# Altium PCB FOC_V1.1.PcbDoc (part 2 of 2)
Units mil, origin at the board's own origin, x right, y up, seen from the top; angles counter-clockwise.
Board outline 1873.97 x 3351.97 mil, 4 copper layers (Top Layer, Signal Layer 1, Internal Plane 1, Bottom Layer), stack 30.634 mil thick; 230 components, 135 nets, 782 pads, 565 vias.
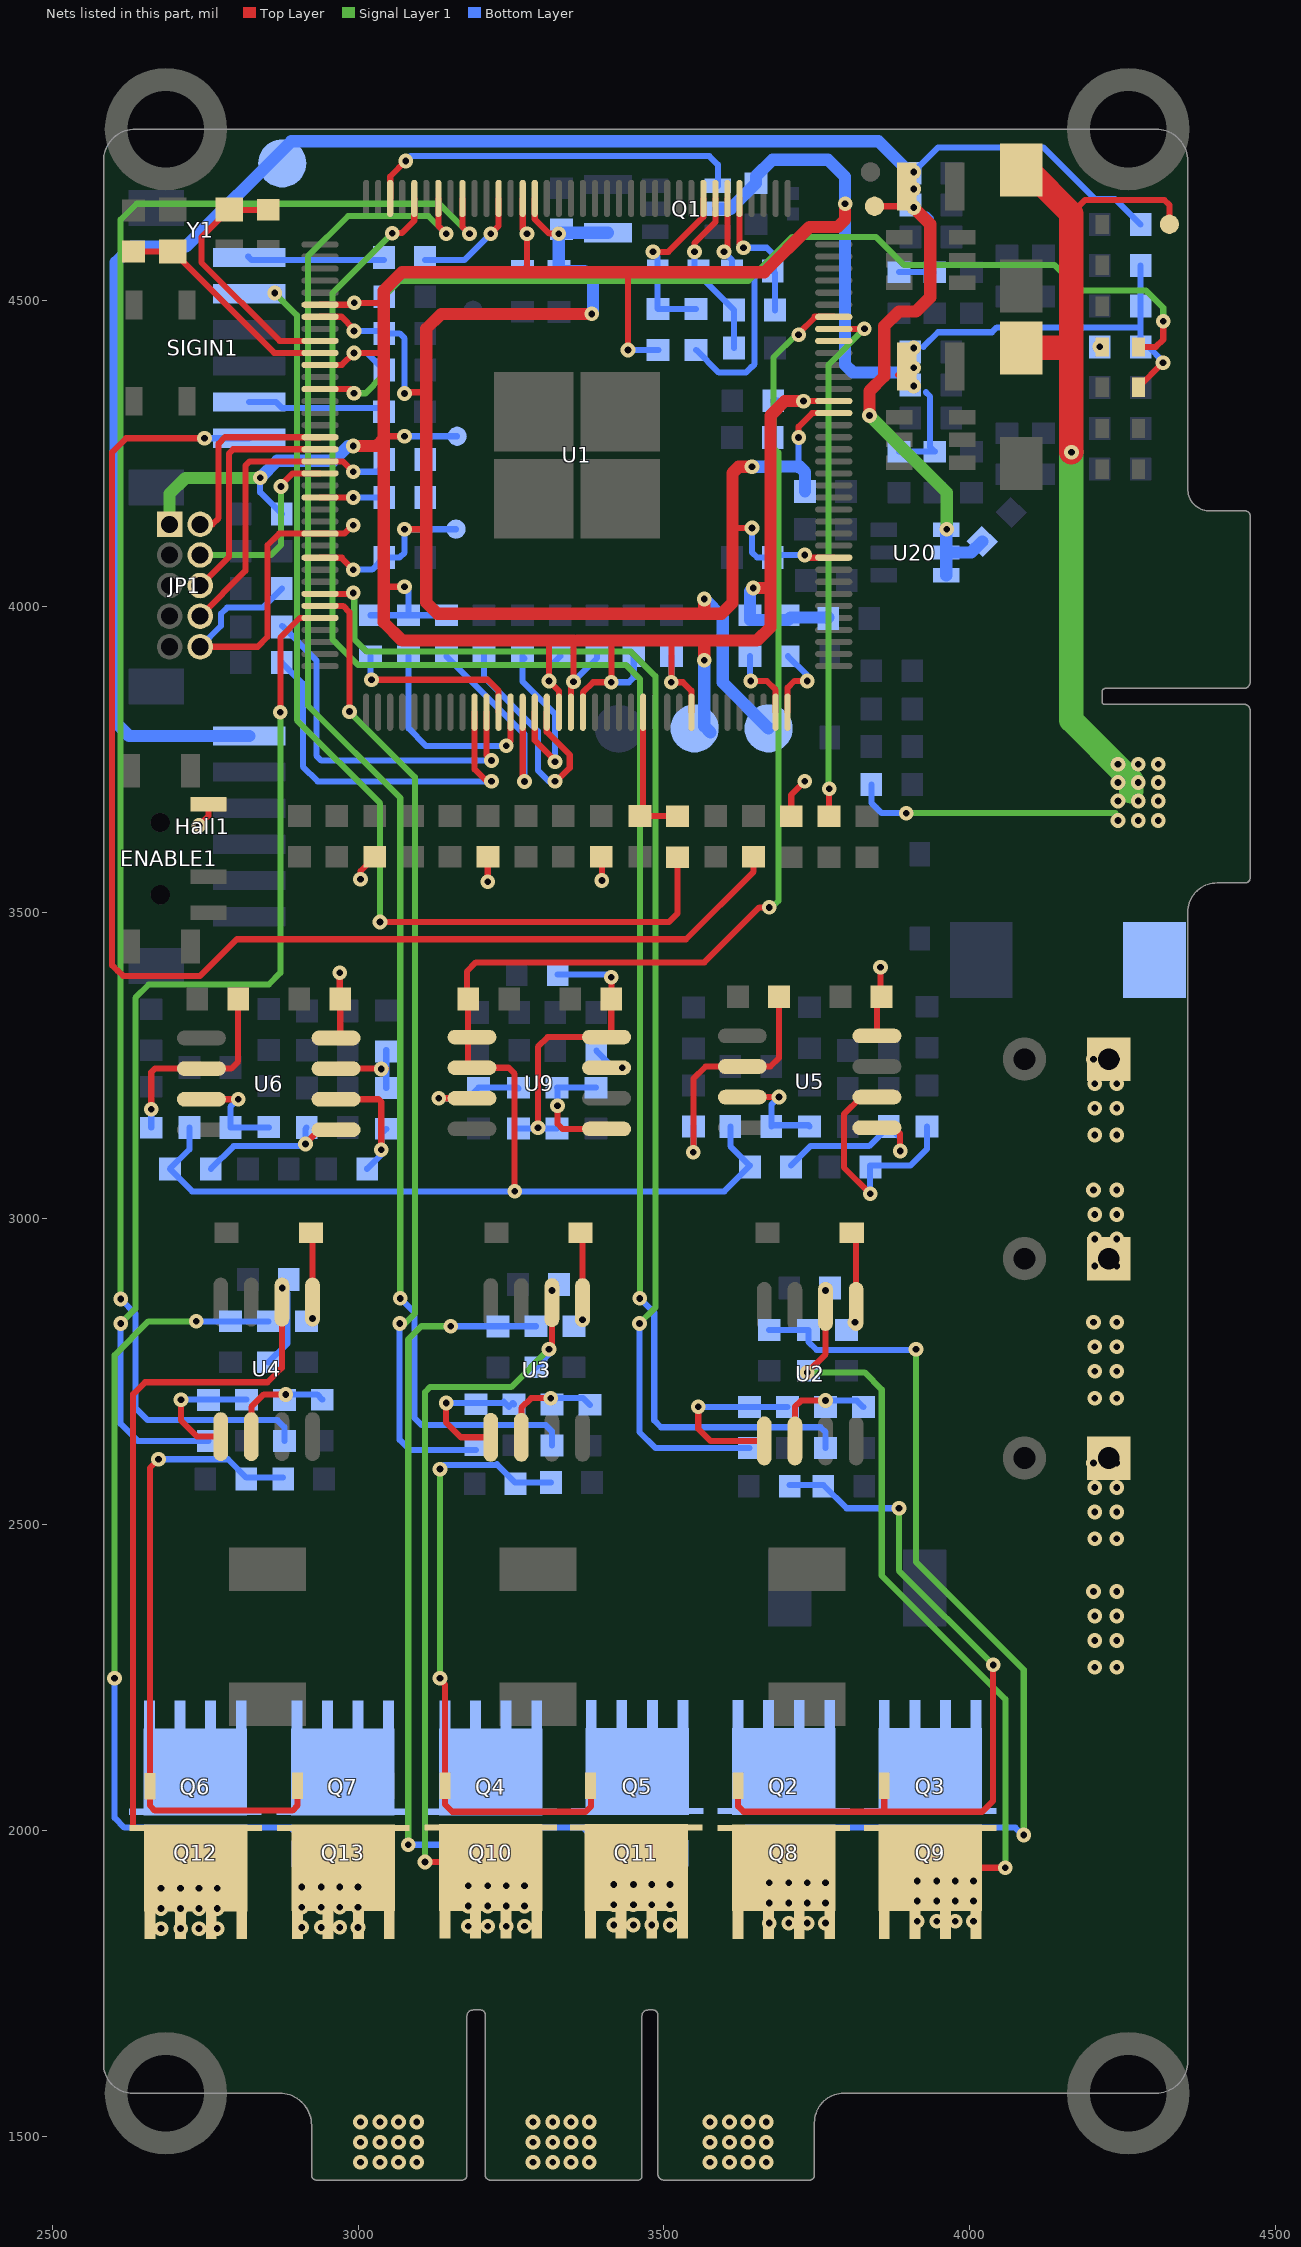
[diagram p4: the nets of this part, all layers, seen from the top]

## Via types
v1: diameter 24, hole 11, Top Layer to Bottom Layer, 475 vias
v2: diameter 23, hole 11, Top Layer to Bottom Layer, 85 vias
v3: diameter 24/24/24 (per signal layer), hole 11, Top Layer to Bottom Layer, 4 vias
v4: diameter 80, hole 70, Top Layer to Bottom Layer, 1 vias

## Nets (pads, with @x,y where several pads share a name; then routed paths per layer and width w, separated by ;. In a path a pad name is that pad's centre, name@x,y a point inside that pad or via, vN(x,y) a via of type N, cw(c..) or ccw(c..) an arc to the next point about the centre after c; other vN are vias at no path point) (continued)
NetQ2_2: Q2.2 Q3.2 R25.2 R28.2 | length 1680.3
  Signal Layer 1 w10: v1(3912,2786) 3912,2438 4088,2262 v1(4088,1992)
  Bottom Layer w10: Q2.2@3621,1962.34 3621,1991 3634,2004 3860,2004 ; R25.2@3672,2817.46 R28.2@3736,2817.46 3736,2798 3749.25,2784.75 3911.25,2784.75 3912,2785.5 v1(3912,2786) ; Q3.2@3860,1962.34 3860,2004 ; v1(4088,1992) 4086,1992 4074,2004 3860,2004
NetQ4_2: Q4.2 Q5.2 R26.2 R29.2 | length 1412.6
  Signal Layer 1 w10: v1(3082,1976) 3082,2802 3103.46,2823.46 v1(3151.46,2823.46)
  Bottom Layer w10: v1(3082,1976) Q4.2@3142,1976 ; Q4.2@3142,1961.5 Q4.2@3142,1976 ; v1(3151.46,2823.46) R29.2@3290.88,2823.46 ; Q5.2@3381,1962.34 3381,1991 3368,2004 3153.46,2004 3142,1992.54 Q4.2@3142,1976
NetQ6_2: Q6.2 Q7.2 R27.2 R30.2 | length 1414.3
  Signal Layer 1 w10: v1(2602,2248) 2602,2776 2657.46,2831.46 v1(2735.46,2831.46)
  Bottom Layer w10: v1(2602,2248) 2602,2020 2618,2004 2659,2004 ; Q6.2@2659,1961.5 2659,2004 ; v1(2735.46,2831.46) R27.2@2791.51,2831.46 R30.2@2853.51,2831.46 ; Q7.2@2900,1961.5 2900,1994 2890,2004 2659,2004
NetQ8_2: Q8.2 Q9.2 R31.2 R38.2 | length 1239.6
  Top Layer w10: Q8.2@3621,2072.17 3621,2039 3630,2030 3860,2030 ; Q9.2@3860,2072.17 3860,2030 ; v1(4038,2270) 4038,2048 4020,2030 3860,2030
  Signal Layer 1 w10: v1(3884,2526) 3884,2424 v1(4038,2270)
  Bottom Layer w10: R38.2@3705.46,2564 3760.54,2564 3798.54,2526 v1(3884,2526)
NetQ10_2: Q10.2 Q11.2 R32.2 R39.2 | length 1038.2
  Top Layer w10: v1(3134,2248) 3134,2246 3141,2239 3141,2238.47 3142,2237.47 Q10.2@3142,2072.5 3142,2042 3154,2030 3372,2030 3381,2039 Q11.2@3381,2072.5
  Signal Layer 1 w10: v1(3134,2248) 3128,2248 3134,2254 v1(3134,2590)
  Bottom Layer w10: v1(3134,2590) 3140.7,2596.7 3225.58,2596.7 3226.88,2598 3256.88,2568 R32.2@3315.41,2568
NetQ12_2: Q12.2 Q13.2 R33.2 R40.2 | length 1067.6
  Top Layer w10: v1(2674,2606) 2660,2592 Q12.2@2660,2072 2660,2040 2668,2032 2893,2032 2901,2040 Q13.2@2901,2072.17
  Bottom Layer w10: v1(2674,2606) 2787.46,2606 2817.46,2576 R33.2@2877.57,2576
NetR16_2: R16.2 SIGIN1.2 | length 227.1
  Bottom Layer w10: SIGIN1.2@2822,4333.89 2866.11,4333.89 2876,4324 3036.54,4324 R16.2@3042.54,4318
NetR17_1: R17.1 SIGIN1.6 | length 224.4
  Bottom Layer w10: SIGIN1.6@2820.5,4571.67 2826.17,4566 R17.1@3042.54,4566
NetR18_2: R18.2 SIGIN1.1 | length 2222.5
  Top Layer w10: v1(2749.17,4274.83) 2620.83,4274.83 2598,4252 2598,3413.3 2606.86,3404.44 2607.56,3404.44 2616,3396 2742,3396 2802,3456 3536,3456 3646.52,3566.52 R18.2@3646.52,3590.54
  Bottom Layer w10: v1(2749.17,4274.83) SIGIN1.1@2822,4274.83
NetR19_1: R19.1 SIGIN1.5 | length 1683
  Top Layer w10: v1(3036,3484) 3508,3484 3522,3498 R19.1@3522,3590
  Signal Layer 1 w10: v1(2864,4512) 2900,4476 2900,3814 3036,3678 v1(3036,3484)
NetR21_1: R21.1 R22.2 U2.1 | length 298.5
  Top Layer w10: v1(3556,2692) 3556,2656 3576,2636 U2.1@3664,2636
  Bottom Layer w10: v1(3556,2692) 3556.54,2691.46 R21.1@3702,2691.46
NetR23_2: R23.2 R24.1 U2.2 | length 176.5
  Top Layer w10: U2.2@3714,2636 3714,2692 3724,2702 v1(3764,2702)
  Bottom Layer w10: v1(3764,2702) 3815.41,2702 R24.1@3826,2691.41
NetR34_1: R34.1 R35.2 U3.1 | length 233.5
  Top Layer w10: v1(3144,2698) 3144,2666 3168,2642 U3.1@3216.88,2642
  Bottom Layer w10: v1(3144,2698) 3236.05,2698 3238.05,2700 3246.46,2691.59 3252.88,2698 R34.1@3254.88,2696
NetR36_2: R36.2 R37.1 U3.2 | length 171.2
  Top Layer w10: U3.2@3266.88,2642 3266.88,2690 3282.88,2706 v1(3314.88,2706)
  Bottom Layer w10: v1(3314.88,2706) 3367.81,2706 R37.1@3378.88,2694.93
NetR44_1: R44.1 R45.2 U4.1 | length 217
  Top Layer w10: v1(2710.54,2703.46) 2710.54,2669.46 2737,2643 U4.1@2775.59,2643
  Bottom Layer w10: v1(2710.54,2703.46) R44.1@2817.51,2703.46
NetR46_2: R46.2 R48.1 U4.2 | length 176.5
  Top Layer w10: U4.2@2825.59,2643 2825.59,2691.59 2846,2712 v1(2882,2712)
  Bottom Layer w10: v1(2882,2712) 2932.98,2712 R48.1@2941.51,2703.46
NetR50_1: R50.1 R53.2 U5.2 | length 416.1
  Top Layer w10: v1(3548,3108) 3548,3228 3568,3248 U5.2@3628,3248 3674,3248 3688,3262 R50.1@3688,3362
  Bottom Layer w10: v1(3548,3108) R53.2@3548,3150
NetR51_2: R51.2 R54.1 U5.6 | length 400.3
  Top Layer w10: v1(3836.93,3040) 3794,3082.93 3794,3170 3822,3198 U5.6@3848,3198
  Bottom Layer w10: v1(3836.93,3040) 3836.93,3086 3902.39,3086 3930,3113.61 R54.1@3930,3150
NetR57_2: R57.2 R60.2 U5.3 | length 172.6
  Top Layer w10: U5.3@3628,3198 v1(3688,3198)
  Bottom Layer w10: R60.2@3675.46,3150 3675.46,3185.46 v1(3688,3198) v1@3690,3198 ; R60.2@3681.46,3152 3736,3152 R57.2@3738,3150
NetR58_1: R58.1 R61.1 U5.5 | length 304.3
  Top Layer w10: U5.5@3848,3148 3876,3148 3886,3138 v1(3886,3110)
  Bottom Layer w10: R61.1@3707.46,3086 3739.3,3117.83 3835.3,3117.83 R58.1@3867.46,3150 3886,3131.46 v1(3886,3110)
NetR62_1: R62.1 R64.1 U6.7 | length 151.3
  Top Layer w10: U6.7@2964,3244.54 3045.46,3244.54 3044.93,3244 v1(3038,3244)
  Bottom Layer w10: R64.1@3046,3212.93 R62.1@3046,3275.07
NetR63_1: R63.1 R66.2 U6.2 | length 342.2
  Top Layer w10: v1(2662,3178) 2662,3238.54 2668,3244.54 U6.2@2744,3244.54 2792.54,3244.54 2804,3256 R63.1@2804,3358.54
  Bottom Layer w10: R66.2@2662,3148.05 v1(2662,3178)
NetR64_2: R64.2 R67.1 U6.6 | length 232.2
  Top Layer w10: U6.6@2964,3194.54 3033.46,3194.54 3038,3190 v3(3038,3112)
  Bottom Layer w10: R67.1@3014.93,3080.54 3014.93,3080.93 3038,3104 v3(3038,3112) 3038,3138 R64.2@3046,3146
NetR70_2: R70.2 R73.2 U6.3 | length 173.9
  Top Layer w10: U6.3@2744,3194.54 v1(2804,3194.54)
  Bottom Layer w10: v1(2804,3194.54) 2791.46,3182 R73.2@2791.46,3148.54 2853.46,3148.54 R70.2@2854,3148
NetR71_1: R71.1 R74.1 U6.5 | length 259.1
  Top Layer w10: v1(2914,3121.29) 2914,3122 2936.54,3144.54 U6.5@2964,3144.54
  Bottom Layer w10: R74.1@2759.46,3080.54 2796.76,3117.83 2910.55,3117.83 v1(2914,3121.29) 2914,3146.05 R71.1@2916,3148.05
NetR77_1: R77.1 RUN1.A
  other v1: 4212.12,4424.15
NetR101_2: R101.2 R103.2 U9.3 | length 191.9
  Top Layer w10: v1(3132,3196) U9.3@3186.25,3196
  Bottom Layer w10: v1(3132,3196) 3179.41,3196 R103.2@3196.88,3213.46 3260.35,3213.46 R101.2@3261.82,3212
NetR102_1: R102.1 U9.7 | length 54.1
  Bottom Layer w10: R102.1@3389.46,3274 3417.46,3246 v1(3432,3246)
NetR106_1: R106.1 R107.1 U9.5 | length 207.5
  Top Layer w10: v1(3326,3184) 3326,3154 3334,3146 U9.5@3406.25,3146
  Bottom Layer w10: v1(3326,3184) 3326,3212.34 R106.1@3324.88,3213.46 R107.1@3388.88,3213.46
NTC: R87.1 U1.29 | length 871.5
  Top Layer w10: R87.1@3770,3656.87 v1(3770,3702) ; U1.29@3777.45,4453.56 v1(3827.56,4453.56)
  Signal Layer 1 w10: v1(3770,3702) 3769,3703 3769,4395 v1(3827.56,4453.56)
P10.5: R7.1 U1.143 | length 126.1
  Top Layer w10: v1@3640,3878 v1(3642,3878) 3668,3878 3682.47,3863.53 U1.143@3682.47,3827.06
  Bottom Layer w10: R7.1@3640.54,3918.54 3640.54,3879.46 v1(3642,3878)
P10.6: R8.1 U1.144 | length 129.9
  Top Layer w10: U1.144@3702.16,3827.06 3702.16,3867.07 3713.09,3878 v1(3734,3878)
  Bottom Layer w10: R8.1@3702.54,3918.54 3734,3887.07 v1(3734,3878)
P14.0: R13.1 U1.118 | length 631.4
  Top Layer w10: U1.118@3190.35,3827.06 3190.35,3733.65 3210,3714 v1(3218,3714)
  Bottom Layer w10: R13.1@2875.46,3908 2910,3873.46 2910,3738 2934,3714 v1(3218,3714)
P14.1: R14.1 U1.119 | length 607
  Top Layer w10: U1.119@3210.03,3827.06 3210.03,3755.97 v1(3218,3748)
  Bottom Layer w10: R14.1@2875.81,3968 2932,3911.81 2932,3756 2940,3748 v1(3218,3748)
P14.2: R4.1 U1.120 | length 289.4
  Top Layer w10: v1(3022,3880) 3212,3880 3229.72,3862.28 U1.120@3229.72,3827.06
  Bottom Layer w10: R4.1@3020.54,3918.54 3020.54,3881.46 v1(3022,3880)
P14.3: R6.1 U1.121 | length 347.5
  Top Layer w10: v1(3242,3772) 3249.4,3779.4 U1.121@3249.4,3827.06
  Bottom Layer w10: R6.1@3082.54,3918.54 3082.54,3800.46 3111,3772 v1(3242,3772)
P14.4: R9.1 U1.122 | length 372.2
  Top Layer w10: U1.122@3269.09,3827.06 3269.09,3716.6 v1(3272,3713.68)
  Bottom Layer w10: R9.1@3144.54,3918.54 3272,3791.07 v1(3272,3713.68)
P14.5: R3.1 U1.123 | length 294.4
  Top Layer w10: U1.123@3288.77,3827.06 3288.77,3781.23 3322,3748 v1(3322,3746)
  Bottom Layer w10: R3.1@3272,3915.07 R3.1@3268.54,3918.54 3268.54,3877.46 3322,3824 v1(3322,3746)
P14.6: R1.1 U1.124 | length 398.1
  Top Layer w10: U1.124@3308.46,3827.06 3308.46,3794.89 3346,3757.34 3346,3736.06 3323.94,3714 v1(3322,3714)
  Bottom Layer w10: R1.1@3206,3918.54 3206,3884.02 3294,3796.02 3294,3732 3312,3714 v1(3322,3714)
P20.2: R10.1 U1.94 | length 105.2
  Top Layer w10: U1.94@2937.87,4177.97 v1(2992,4178)
  Bottom Layer w10: v1(2992,4178) R10.1@3043.01,4178
P21.7: JP1.6 U1.90 | length 387
  Top Layer w10: JP1.6@2742,4034 2789.31,4081.31 2789.31,4250.13 2795.88,4256.71 U1.90@2937.87,4256.71
PWMAH: R22.1 U1.102 | length 2085.4
  Top Layer w10: U1.102@2937.87,4020.49 2990.49,4020.49 v1(2992,4022)
  Signal Layer 1 w10: v1(2992,4022) 2993.74,4020.26 2993.74,3946.26 3014,3926 3446,3926 3486,3886 3486,2854 v1(3460,2828)
  Bottom Layer w10: v1(3460,2828) 3460,2650.54 3486,2624.54 R22.1@3640,2624.54
PWMAL: R23.1 U1.68 | length 2849.6
  Top Layer w10: v1(3056,4610) 3071.46,4610 3091.92,4630.46 U1.68@3091.92,4666.67
  Signal Layer 1 w10: v1(3056,4610) 2958,4512 2958,3946 3000,3904 3438,3904 3460.52,3881.48 v1(3460.52,2869)
  Bottom Layer w10: v1(3460.52,2869) 3484,2845.52 3484,2669.61 3495.12,2658.49 3755.51,2658.49 3764,2650 R23.1@3764,2624.54
PWMBH: R35.1 U1.103 | length 1596.8
  Top Layer w10: U1.103@2937.87,4000.8 2975.69,4000.8 2986,3990.5 v1(2986,3828)
  Signal Layer 1 w10: v1(2986,3828) 3093,3721 3093,2844 3077,2828 v1(3068,2828)
  Bottom Layer w10: v1(3068,2828) 3068,2638 3085,2621 R35.1@3192.88,2621
PWMBL: R36.1 U1.66 | length 2555.7
  Top Layer w10: U1.66@3131.29,4666.67 3131.29,4621.8 v1(3144,4609.09)
  Signal Layer 1 w10: v1(3069,2869) 3069,3687 2918,3838 2918,4572 2984,4638 3115.09,4638 v1(3144,4609.09)
  Bottom Layer w10: v1(3069,2869) 3092,2846 3092,2674 3104,2662 3306.88,2662 3316.88,2652 R36.1@3316.88,2628.54
PWMCH: R45.1 U1.104 | length 1741.2
  Top Layer w10: v1(2873,3827) 2873,3949 2905.12,3981.12 U1.104@2937.87,3981.12
  Signal Layer 1 w10: v1(2612,2828) 2636,2852 2636,3360 2658,3382 2854,3382 2873,3401 v1(2873,3827)
  Bottom Layer w10: v1(2612,2828) 2612,2664 2640,2636 R45.1@2755.51,2636
PWMCL: R46.1 U1.64 | length 2894.3
  Top Layer w10: U1.64@3170.66,4666.67 3170.66,4620.43 v1(3182,4609.09)
  Signal Layer 1 w10: v1(2612,2868) 2612,4632 2638,4658 3133.09,4658 v1(3182,4609.09)
  Bottom Layer w10: v1(2612,2868) 2636,2844 2636,2690 2656,2670 2868,2670 2879.51,2658.49 R46.1@2879.51,2636
PWMIN: R19.2 R75.2 U1.132 | length 233.5
  Top Layer w10: U1.132@3465.94,3827.06 3465.94,3662.88 R75.2@3460.52,3657.46 3521.46,3657.46 R19.2@3522,3656.93
RST: JP1.10 R12.2 U1.97 | length 604.7
  Top Layer w10: JP1.10@2742,3934 2836,3934 2852,3950 2852,4100 2870.91,4118.91 U1.97@2937.87,4118.91 2977.74,4118.91 2991.59,4132.76 v1(2992,4132.76)
  Bottom Layer w10: JP1.10@2742,3934 2776,3968 2776,3988 2786,3998 2844.54,3998 R12.2@2875.46,4028.93
RUN: RUN1.C U1.85 | length 1707.3
  Top Layer w10: U1.85@2937.87,4355.13 2986.5,4355.13 v1(2993.24,4348.39) ; RUN1.C@4275.53,4424 4304,4424 4316,4436 v1(4316,4466)
  Signal Layer 1 w10: v1(2993.24,4348.39) 3012.39,4348.39 3039,4375 3039,4503 3068,4532 3638,4532 3709.95,4603.94 3846.05,4603.94 3881,4569 ; 3881,4568.96 3891.96,4558 4138,4558 4180,4516 4288,4516 4316,4488 v1(4316,4466)
SPDIN: U1.28
SPDOUT: R17.2 U1.61 | length 188.2
  Top Layer w10: v1(3217,4609.09) 3229.72,4621.8 U1.61@3229.72,4666.67
  Bottom Layer w10: R17.2@3109.46,4566 3173.91,4566 v1(3217,4609.09)
TCK: JP1.4 U1.92 | length 308.5
  Top Layer w10: v1(2874,4196) 2874,4198 2893.34,4217.34 U1.92@2937.87,4217.34
  Signal Layer 1 w10: JP1.4@2742,4084 2858,4084 2874,4100 v1(2874,4196)
TMS: JP1.2 U1.89 | length 326.3
  Top Layer w10: JP1.2@2742,4134 2762,4134 2772.17,4144.17 2772.17,4266.11 2782.45,4276.39 U1.89@2937.87,4276.39
TRST: JP1.8 R11.1 U1.91 | length 527.2
  Top Layer w10: JP1.8@2742,3984 2816,4058 2816,4230 2823.02,4237.02 U1.91@2937.87,4237.02 2974.98,4237.02 v1(2992,4220)
  Bottom Layer w10: v1(2992,4220) 3032,4220 3043.07,4231.07 R11.1@3043.07,4240
VAGND: C13.1 R5.1 U1.41 | length 230.6
  Top Layer w10: U1.41@3623.42,4666.67 3623.42,4592.58 v1(3630,4586)
  Bottom Layer w10: v1(3630,4586) 3668,4586 3680,4574 3680,4550 C13.1@3678,4548 3681.46,4544.54 R5.1@3681.46,4484.05
VAREF: C13.2 R2.2 U1.42 | length 426.2
  Top Layer w10: v1(3598,4579.4) 3603.73,4585.13 U1.42@3603.73,4666.67
  Bottom Layer w10: R2.2@3552.54,4419.07 3589.61,4382 3633.56,4382 3642.56,4391 3643.05,4391 3648,4395.94 3648,4538 3638,4548 C13.2@3611.07,4548 3611.07,4566.33 v1(3598,4579.4)
VCC1V3: C1.2 C2.2 C5.2 C6.2 C11.2 C21.2 L1.2 R49.1 TP2.1 TP11.1 U1.10 U1.22 U1.58 U1.79 U1.99 | length 3218.7
  Top Layer w10: U1.99@2937.87,4079.54 2973.69,4079.54 2973.69,4078.31 v1(2992,4060) ; U1.79@2937.87,4473.24 2973.23,4473.24 v1@2993.24,4453.24 ; v1(3076,4126) 3107.61,4126 3111.61,4122 ; v1(3076,4348) 3078,4350 3110,4350 3111.61,4348.39 ; U1.58@3288.77,4666.67 3288.77,4633.03 3312.72,4609.09 v1(3328,4609.09) ; 3618,4128 v1(3644,4128) ; v1(3720,4276) 3720,4293.51 3742.26,4315.76 U1.22@3777.45,4315.76 ; v1(3730,4084) 3734.46,4079.54 U1.10@3777.45,4079.54
  Top Layer w20: v1(3382,4478) 3136,4478 3111.61,4453.61 3111.61,4348.39 3111.61,4122 3111.61,4006.39 3130,3988 3566,3988 ; v1(3566,4012) 3566,3988 ; v1(3644,4228) 3622,4228 3612,4218 3612,4006 3594,3988 3566,3988
  Bottom Layer w10: v1(2992,4060) 3023.07,4060 C1.2@3043.07,4080 3068,4080 3076,4088 v1(3076,4126) 3159.81,4126 TP2.1@3160,4126.19 ; v1(2993.24,4450) 3039.07,4450 C6.2@3043.07,4446 3068,4446 3076,4438 v1(3076,4348) ; v1(3644,4128) 3644,4088 3652,4080 C11.2@3678,4080 3682,4084 v1(3730,4084) 3730,4082.46 v1@3727.54,4080 ; 3678,4228.78 C5.2@3678,4276 ; 3720,4230 v1(3720,4276)
  Bottom Layer w20: v1(3382,4478) 3384,4480 3384,4534 3370,4548 C2.2@3328.54,4548 3328,4548.54 v1(3328,4609.09) 3329.54,4610.63 L1.2@3408.54,4610.63 ; v1(3566,4012) 3596,3982 3596,3875.46 TP11.1@3671,3800.46 ; v1(3644,4228) 3677.22,4228 ; 3678,4228.78 3717.22,4228.78 3718,4228 ; 3720,4230 3730.54,4219.46 R49.1@3730.54,4188
VCC3V3: C9.2 C10.2 C14.2 C15.2 C16.2 C17.2 C18.2 C19.2 C20.2 C27.2 C31.2 C52.2 C53.2 C54.2 C56.1 ENABLE1.1 FB2.1 JP1.1 L3.1 PWM1.A Q1.2 R4.2 R6.2 R7.2 R8.2 R9.2 R10.2 R11.2 R15.1 R76.2 R77.2 R80.2 R83.2 R84.2 R85.2 R86.2 R98.2 R99.2 R100.2 R101.1 R106.2 TP3.1 TP10.1 U1.23 U1.59 U1.78 U1.83 U1.125 U1.126 U1.127 U1.136 U5.8 U6.8 U9.8 | length 7730.9
  Top Layer w10: v1(2740,3642) 2755.37,3657.37 ENABLE1.1@2755.37,3676.28 ; U1.83@2937.87,4394.5 2973.74,4394.5 v1(2993.24,4414) 3040,4414 3042,4412 ; U1.78@2937.87,4492.93 2990.67,4492.93 v1(2993.74,4496) 3034,4496 3042,4504 ; U6.8@2964,3294.54 2970.93,3301.46 C31.2@2970.93,3358.54 2970,3359.46 v1(2970,3401.07) ; v1(3004,3554) 3004,3567.15 R85.2@3027.38,3590.54 ; 3042,4030 3044,4032 v1(3076,4032) ; 3042,4280 3044,4278 v1(3076,4278) ; v1(3212,3550) 3212,3587.01 3214,3589.01 R84.2@3212.47,3590.54 ; U1.59@3269.09,4666.67 3269.09,4616 v1(3276,4609.09) 3276,4546 ; v1(3294,3148) 3294,3280 3310,3296 U9.8@3406.25,3296 3413.81,3303.56 C56.1@3413.81,3358 3412,3359.81 3414,3361.81 v1(3414,3394) ; 3312,3944 v1(3312,3878) 3328.14,3861.86 U1.125@3328.14,3827.06 ; U1.126@3347.83,3827.06 3347.83,3872.74 v1(3352,3876.91) 3352,3944 ; U1.127@3367.51,3827.06 3367.51,3859.37 3384.14,3876 v1(3414,3876) 3414,3944 3414,3948 3418,3944 ; R83.2@3397.56,3590.54 3398.52,3589.58 v1(3398.52,3552) ; v1(3441.07,4419.07) 3441.07,4546 ; 3516,3944 3512,3940 v1(3512,3876) 3531,3876 3544.68,3862.32 U1.136@3544.68,3827.06 ; 3674,4030 3672,4030 3674,4032 ; R86.2@3708,3656.93 3708,3692 v1(3730,3714) ; v1(3728,4335.45) U1.23@3777.45,4335.45 ; U5.8@3848,3298 3848,3354.54 C27.2@3855.46,3362 3854,3363.46 v1(3854,3410) ; L3.1@3882.68,4378 L3.1@3896.63,4391.94 ; PWM1.A@4275.53,4358 v1(4315.53,4398)
  Top Layer w20: v1(2992,4262) 3030,4262 3038,4270 3042,4266 ; 3352,3944 3312,3944 3072,3944 3042,3974 3042,4030 3042,4266 ; 3358,3944 3414,3944 3418,3944 3516,3944 3566,3944 ; v1(3566,3912) 3566,3944 ; v1(3646,4030) 3672,4030 ; 3674,4030 3674,3966 3652,3944 3566,3944 ; 3674,4032 3674,4312 3697.45,4335.45 v1(3728,4335.45) ; v1(3796,4658) 3796,4631.92 3784.08,4620 3738,4620 3664,4546 3441.07,4546 3276,4546 3072,4546 3042,4516 3042,4504 3042,4412 3042,4280 3042,4266
  Signal Layer 1 w20: JP1.1@2692,4134 2692,4184 2718,4210 v1(2840,4210)
  Bottom Layer w10: v1(2840,4210) 2840,4186.52 R15.1@2875.46,4151.06 ; v1(2993.24,4414) 3015.07,4414 C10.2@3043.07,4386 ; v1(2993.74,4496) 3033.07,4496 C18.2@3043.07,4506 ; R4.2@3020.54,3985.46 R6.2@3082.54,3985.46 ; v1(3076,4032) 3082.54,4025.46 R6.2@3082.54,3985.46 ; v1(3076,4278) 3110,4278 ; R10.2@3110,4178 3110,4278 ; R9.2@3144.54,3985.46 R6.2@3082.54,3985.46 ; TP3.1@3162,4278 3110,4278 ; R101.1@3262.34,3146.54 R106.2@3324.88,3146.54 ; C17.2@3268.54,4548.54 3276,4556 v1(3276,4609.09) ; v1(3312,3878) 3312,3900 C19.2@3330.54,3918.54 ; R99.2@3326.34,3398.54 3409.46,3398.54 v1(3414,3394) ; v1(3352,3876.91) 3390.54,3915.45 C9.2@3390.54,3918.54 ; v1(3414,3876) 3442.54,3876 3450.54,3884 C14.2@3450.54,3918.54 ; v1(3441.07,4419.07) FB2.1@3490.54,4419.07 ; v1(3512,3876) C15.2@3512,3918.54 ; C16.2@3678.54,4336 3727.45,4336 v1(3728,4335.45) ; R100.2@3883.9,4252.87 C54.2@3942.57,4252.87 3935,4260.44 3935,4343 3928,4350 ; 3924,4424.15 3947.85,4448 4036,4448 4044,4456 4279.05,4456 ; R98.2@4279.05,4557.38 R76.2@4279.05,4490.77 4279.05,4456 ; v1(4315.53,4398) 4315.53,4400.47 4291.85,4424.15 R77.2@4279.05,4424.15 4279.05,4456
  Bottom Layer w20: v1(2840,4210) 2868,4238 2960,4238 2984,4262 v1(2992,4262) ; v1(3566,3912) 3566,3804 TP10.1@3576,3794 ; Q1.2@3588.25,4650 3609.07,4650 C20.2@3650.54,4691.46 3650.54,4703.31 3677.22,4730 3768,4730 3796,4702 v1(3796,4658) 3796,4394.94 3808.94,4382 3896,4382 ; v1(3646,4030) 3640.53,4024.53 3640.53,3977.59 3702.53,3977.59 3706.94,3982 R80.2@3768.54,3982
  other v1: 3908,4360 3908,4390 3908,4422.43
VCC5V: C42.2 C43.2 C44.2 C68.2 Hall1.6 L2.1 R94.2 R95.2 TP7.1 TP9.1 U20.1 U20.2 U20.3 | length 3806.6
  Top Layer w10: TP7.1@3842,4654 TP7.1@3844,4654 L2.1@3884.63,4654
  Top Layer w20: v1(3836,4312) 3836,4352 3860,4376 3860,4458 3884,4482 3912,4482 3935,4505 3935,4625 v1(3908,4652)
  Signal Layer 1 w20: v1(3836,4312) 3962,4186 v3(3962,4126)
  Bottom Layer w10: R95.2@3884,4546.2 C44.2@3940.51,4546.2 ; v1(3908,4710) 3948,4750 4120,4750 4204,4666 4237.05,4666 R94.2@4279.05,4624 ; 3930,4640 3936,4634 3936,4550.72 C44.2@3940.51,4546.2 ; C44.2@3940.57,4546.15 C44.2@3940.51,4546.2
  Bottom Layer w20: Hall1.6@2822,3788.22 2625.78,3788.22 2604,3810 2604,4562.22 2629.78,4588 2719,4588 2891,4760 3850.78,4760 C43.2@3902.83,4707.94 ; U20.3@3961.18,4050.6 U20.2@3961.18,4088 ; U20.1@3961.18,4125.4 U20.2@3961.18,4088 ; C68.2@4020,4106 4002,4088 U20.2@3961.18,4088
  other v1: 3908,4682
VCC12V: C4.2 C8.2 C26.2 C46.1 C64.1 C65.1 D1.A D2.A D6.A D8.A D9.K D11.A Q2.1 Q3.1 Q4.1 Q5.1 Q6.1 Q7.1 R90.1 TP4.1 U2.5 U3.5 U4.5 | length 2170.7
  Top Layer w10: D6.A@2922.9,2976 2925.59,2973.31 U4.5@2925.59,2863 ; D2.A@3363.78,2976 3366.88,2972.9 U3.5@3366.88,2862 ; D1.A@3806.9,2976 3814,2968.9 U2.5@3814,2856 ; 4166,4642 4188,4664 4318,4664 4326,4656 TP4.1@4326,4624.54
  Top Layer w40: D11.A@4084,4422.43 4164.43,4422.43 4166,4424 ; D8.A@4084,4712.8 4095.2,4712.8 4166,4642 4166,4424 ; v1(4166,4252) 4166,4424
  Signal Layer 1 w10: v1(3896,3662) 4238,3662
  Signal Layer 1 w40: v1(4166,4252) 4165.99,3814.02 4255,3725 4264,3716 4264,3698
  Bottom Layer w10: R90.1@3838.97,3708.82 3838.97,3679.03 3856,3662 v1(3896,3662)
  other v1: 4204,2266 4240,2266 4204,2310 4240,2310 4204,2350 4240,2350 4202,2390 4240,2390 4204,2476 4240,2476 4204,2520 4240,2520 4204,2560 4240,2560 4202,2600 4240,2600 4204,2706 4240,2706 4204,2750 4240,2750 4204,2790 4240,2790 3812,2830 4202,2830 4240,2830 3366.88,2834 2925.59,2836 4204,2922 4240,2922 4204,2966 4240,2966 4204,3006 4240,3006 4202,3046 4240,3046 4204,3136 4240,3136 4204,3180 4240,3180 4204,3220 4240,3220 4202,3260 4240,3260 4242,3650 4275,3650 4308,3650 4242,3682 4275,3682 4308,3682 4242,3712 4275,3712 4308,3712 4242,3742 4275,3742 4308,3742
VDDM: C12.2 FB2.2 R2.1 U1.44 | length 294.9
  Top Layer w10: v1(3482,4579.4) 3506.96,4579.4 3564.36,4636.8 U1.44@3564.36,4666.67
  Bottom Layer w10: v1(3482,4579.4) 3489.61,4571.8 C12.2@3489.61,4548 3489.61,4486.93 FB2.2@3490.54,4486 R2.1@3552.54,4486
VGATE1N: Q1.1 U1.70 | length 625.7
  Top Layer w10: U1.70@3052.55,4666.67 3052.55,4702.55 v1(3078,4728)
  Bottom Layer w10: v1(3078,4728) 3086,4736 3574,4736 3588.25,4721.75 Q1.1@3588.25,4687.4
VREF: C51.1 R60.1 R61.2 R73.1 R74.2 U1.30 U9.1 U9.2 | length 3151.5
  Top Layer w10: C51.1@3177.95,3356 3177.95,3403.25 3192.7,3418 3566,3418 3656,3508 v1(3672,3508) ; U9.1@3178.2,3296 U9.1@3179.95,3296 ; U9.2@3179.95,3246 U9.1@3179.95,3296 ; C51.1@3179.95,3358 U9.1@3179.95,3296 ; U9.2@3186.25,3246 3246,3246 3256,3236 v1(3256,3044) ; U9.1@3186.25,3296 U9.1@3179.95,3296 ; v1(3720,4444) 3720,4446.06 3746,4472.06 3746,4473.24 U1.30@3777.45,4473.24
  Top Layer w20: C51.1@3177.95,3356 C51.1@3179.95,3358
  Signal Layer 1 w10: v1(3672,3508) 3676.53,3508 3687,3518.47 3687,4251.02 3679,4259.02 3679,4407 3716,4444 v1(3720,4444)
  Bottom Layer w10: R73.1@2724.54,3148.54 2724.54,3112.54 R74.2@2692.54,3080.54 2729.07,3044 v1(3256,3044) 3598.54,3044 3640.54,3086 3608.54,3118 R60.1@3608.54,3150
VSA: C3.1 Q2.3 Q3.3 Q8.1 Q9.1 R28.1 U2.6 | length 1242
  Top Layer w10: v1(3734,2748) 3764,2778 U2.6@3764,2856 ; Q9.1@3935,1938.51 v1(4057.67,1938.51)
  Signal Layer 1 w10: v1(3734,2748) 3828,2748 3856,2720 3856,2416 4058,2214 4058,1938.84 v1(4057.67,1938.51)
  other v1: 3575.22,1457 3607.22,1457 3637.22,1457 3667.22,1457 3575.22,1490 3607.22,1490 3637.22,1490 3667.22,1490 3575.22,1523 3607.22,1523 3637.22,1523 3667.22,1523 3672,1848 3704,1848 3734,1848 3764,1848 3914,1851 3946,1851 3976,1851 4006,1851 3672,1881 3704,1881 3734,1881 3764,1881 3914,1884 3946,1884 3976,1884 4006,1884 3672,1914 3704,1914 3734,1914 3764,1914 3914,1917 3946,1917 3976,1917 4006,1917 3764,2882
VSB: C7.1 Q4.3 Q5.3 Q10.1 Q11.1 R29.1 U3.6 | length 1234
  Top Layer w10: v1(3109.46,1948) 3191.18,1948 3199.18,1956 3216.67,1938.51 Q10.1@3217,1938.84 ; v1(3312,2786) 3316.88,2790.88 U3.6@3316.88,2862
  Signal Layer 1 w10: v1(3109.46,1948) 3109.46,2715.99 3117.47,2724 3250,2724 v1(3312,2786)
  Bottom Layer w10: R29.1@3290.88,2756.54 3312,2777.66 v1(3312,2786)
  other v1: 3286,1457 3318,1457 3348,1457 3378,1457 3286,1490 3318,1490 3348,1490 3378,1490 3286,1523 3318,1523 3348,1523 3378,1523 3180,1843 3212,1843 3242,1843 3272,1843 3418,1845 3450,1845 3480,1845 3510,1845 3180,1876 3212,1876 3242,1876 3272,1876 3418,1878 3450,1878 3480,1878 3510,1878 3180,1909 3212,1909 3242,1909 3272,1909 3418,1911 3450,1911 3480,1911 3510,1911 3316.88,2882
VSC: C25.1 Q6.3 Q7.3 Q12.1 Q13.1 R30.1 U4.6 | length 1317.4
  Top Layer w10: Q12.1@2735,2003.5 2632.5,2003.5 2632.5,2712.5 2652,2732 2852,2732 2875.59,2755.59 U4.6@2875.59,2863
  Bottom Layer w10: R30.1@2853.51,2764.54 2884.22,2795.24 2884.22,2877.78 v1(2876,2886)
  other v1: 3004,1457 3036,1457 3066,1457 3096,1457 3004,1490 3036,1490 3066,1490 3096,1490 3004,1523 3036,1523 3066,1523 3096,1523 2678,1839 2710,1839 2740,1839 2770,1839 2908,1841 2940,1841 2970,1841 3000,1841 2678,1872 2710,1872 2740,1872 2770,1872 2908,1874 2940,1874 2970,1874 3000,1874 2678,1905 2710,1905 2740,1905 2770,1905 2908,1907 2940,1907 2970,1907 3000,1907
VSSM: C12.1 FB1.1 R5.2 U1.43 | length 285.5
  Top Layer w10: v1(3550,4579.4) 3550,4594 3584.05,4628.05 U1.43@3584.05,4666.67
  Bottom Layer w10: v1(3550,4579.4) 3550,4554.54 C12.1@3556.54,4548 3556.54,4542.05 R5.2@3614.54,4484.05 FB1.1@3614.54,4422.05
XTAL1: C22.2 U1.81 Y1.3 | length 416.9
  Top Layer w10: C22.2@2853.31,4648 2790.12,4648 Y1.3@2789.31,4648.81 2744,4603.5 2744,4562 2872.13,4433.87 U1.81@2937.87,4433.87
XTAL2: C23.2 U1.82 Y1.1 | length 373.2
  Top Layer w10: C23.2@2633.31,4580 Y1.1@2697.31,4580.01 2863.13,4414.19 U1.82@2937.87,4414.19
pads on no net: "ENABLE1. " *.1 *.2 *.3 *.4 ENABLE1.0 Hall1.0 SIGIN1.0 U1.1 U1.2 U1.3 U1.4 U1.5 U1.6 U1.7 U1.8 U1.9 U1.11 U1.12 U1.13 U1.14 U1.15 U1.16 U1.17 U1.18 U1.19 U1.20 U1.21 U1.24 U1.25 U1.26 U1.35 U1.36 U1.37 U1.38 U1.39 U1.40 U1.45 U1.46 U1.47 U1.48 U1.49 U1.50 U1.51 U1.52 U1.53 U1.54 U1.55 U1.56 U1.57 U1.62 U1.63 U1.65 U1.69 U1.72 U1.73 U1.74 U1.75 U1.76 U1.77 U1.88 U1.93 U1.95 U1.96 U1.98 U1.100 U1.101 U1.105 U1.106 U1.107 U1.108 U1.109 U1.110 U1.111 U1.112 U1.113 U1.114 U1.128 U1.129 U1.130 U1.131 U1.135 U1.137 U1.138 U1.139 U1.140 U1.141 U1.142

## Polygon pours and split planes (outlines as drawn)
GND on Top Layer "Top Layer-No Net1" (solid, remove dead copper, pour order 169): 2924.02,1436 ccw(c2932,1436) 2932,1428.02 3170,1428.02 ccw(c3170,1436) 3177.98,1436 3177.98,1696 cw(c3188,1696) 3188,1706.02 3200,1706.02 cw(c3200,1698) 3208.02,1698 3208.02,1436 ccw(c3216,1436) 3216,1428.02 3458,1428.02 ccw(c3458,1434) 3463.98,1434 3463.98,1696 cw(c3474,1696) 3474,1706.02 3482,1706.02 cw(c3482,1698) 3490.02,1698 3490.02,1438 ccw(c3500,1438) 3500,1428.02 3738,1428.02 ccw(c3738,1436) 3745.98,1436 3745.98,1522 cw(c3794,1522) 3794,1570.02 4304,1570.02 ccw(c4304,1622) 4355.98,1622 4355.98,3500 cw(c4404,3500) 4404,3548.02 4450,3548.02 ccw(c4450,3556) 4457.98,3556 4457.98,3830 ccw(c4448,3830) 4448,3839.98 4220,3839.98 cw(c4220,3844) 4215.98,3844 4215.98,3860 cw(c4222,3860) 4222,3866.02 4448,3866.02 ccw(c4448,3876) 4457.98,3876 4457.98,4148 ccw(c4450,4148) 4450,4155.98 4392,4155.98 cw(c4392,4192) 4355.98,4192 4355.98,4728 ccw(c4304,4728) 4304,4779.98 2636,4779.98 ccw(c2636,4728) 2584.02,4728 2584.02,1618 ccw(c2632,1618) 2632,1570.02 2871.55,1570.02 cw(c2871.55,1517.55) 2924.02,1517.55
NetC59_2 on Top Layer "Top Layer-NetC59_2" (solid, pour order 106): 3952,4284 3952,4186 4118,4186 4118,4284
NetC55_2 on Top Layer "Top Layer-NetC55_2" (solid, pour order 104): 4010,4296 4010,4442 3950,4442 3950,4296
VCC3V3 on Top Layer "Top Layer-VCC3V3" (solid, pour order 102): 3878,4442 3936,4442 3936,4342 3878,4342
NetC49_2 on Top Layer "Top Layer-NetC49_2" (solid, pour order 96): 3952,4578 3952,4480 4118,4480 4118,4578
no net on Top Layer "Top Layer-No Net" (solid, pour order 92): 3952,4588
NetC45_2 on Top Layer "Top Layer-NetC45_2" (solid, pour order 90): 4012,4588 4012,4734 3952,4734 3952,4588
VCC5V on Top Layer "Top Layer-VCC5V" (solid, pour order 88): 3878,4734 3936,4734 3936,4634 3878,4634
GND on Top Layer "Top Layer-GND 1" (solid, pour order 84): 4228,4150 4134,4150 3958,3974 3958,3588 3958,2538 3920,2500 3824,2500 3824,2298 4114,2298 4148,2332 4148,3822 4200,3874 4224,3874 4224,4146
VCC12V on Top Layer "Top Layer-VCC12V 1" (solid, pour order 80): 4212,3832 4162,3782 4162,2270 4116,2224 4054,2224 4054,2020 4296,2020 4352,2076 4352,3530 4378,3556 4392,3556 4392,3832
ISUM on Top Layer "Top Layer-SUM" (solid, pour order 64): 2700,2298 2700,2500 3810,2500 3810,2298
IA on Top Layer "Top Layer-IA" (solid, pour order 60): 3660,2050 3660,2258 4020,2258 4020,2050 3888.9,2050 3888.9,2104 3838,2104 3838,2050
IB on Top Layer "Top Layer-IB" (solid, pour order 58): 3180,2050 3180,2258 3540,2258 3540,2050 3408.9,2050 3408.9,2104 3358,2104 3358,2050
IC on Top Layer "Top Layer-IC" (solid, pour order 56): 2700,2050 2700,2258 3062,2258 3062,2050 2928.9,2050 2928.9,2104 2878,2104 2878,2050
VSA on Top Layer "Top Layer-VSA" (solid, pour order 52): 3734,1566 3778,1610 3936,1610 4044,1718 4044,2010 3610,2010 3610,1820 3500,1710 3500,1572 3506,1566
VSB on Top Layer "Top Layer-VSB" (solid, pour order 48): 3218,1666 3217,1667 3217,1731 3132,1816 3132,2010 3542,2010 3542,1814 3455,1727 3455,1666
VSC on Top Layer "Top Layer-VSC" (solid, pour order 46): 2931,1566 2889,1608 2796,1608 2626,1778 2626,2010 3062,2010 3062,1819 3169,1712 3169,1566
VSA on Top Layer "Top Layer-VSA 1" (solid, pour order 8): 3738,1434 3738,1710 3500,1710 3500,1434
VSC on Top Layer "Top Layer-VSC 1" (solid, pour order 6): 3169,1436 3169,1712 2931,1712 2931,1436
VSB on Top Layer "Top Layer-VSB 1" (solid, pour order 4): 3455,1434 3455,1710 3217,1710 3217,1434
VCC12V on Top Layer "Top Layer-VCC12V" (solid, pour order 2): 4450,3556 4450,3832 4212,3832 4212,3556
GND on Top Layer "Top Layer-GND" (solid, pour order 0): 4450,3874 4450,4150 4212,4150 4212,3874
VSA on Top Solder (solid): 3500,1710 3738,1710 3738,1434 3500,1434
VSB on Top Solder (solid): 3216,1710 3454,1710 3454,1434 3216,1434
VSC on Top Solder (solid): 2930,1712 3168,1712 3168,1436 2930,1436
VCC12V on Top Solder (solid): 4212,3832 4450,3832 4450,3556 4212,3556
GND on Top Solder (solid): 4212,4150 4450,4150 4450,3874 4212,3874
GND on Bottom Layer "Top Layer-No Net2" (solid, remove dead copper, pour order 170): 2924.02,1436 ccw(c2932,1436) 2932,1428.02 3170,1428.02 ccw(c3170,1436) 3177.98,1436 3177.98,1696 cw(c3188,1696) 3188,1706.02 3200,1706.02 cw(c3200,1698) 3208.02,1698 3208.02,1436 ccw(c3216,1436) 3216,1428.02 3458,1428.02 ccw(c3458,1434) 3463.98,1434 3463.98,1696 cw(c3474,1696) 3474,1706.02 3482,1706.02 cw(c3482,1698) 3490.02,1698 3490.02,1438 ccw(c3500,1438) 3500,1428.02 3738,1428.02 ccw(c3738,1436) 3745.98,1436 3745.98,1522 cw(c3794,1522) 3794,1570.02 4304,1570.02 ccw(c4304,1622) 4355.98,1622 4355.98,3500 cw(c4404,3500) 4404,3548.02 4450,3548.02 ccw(c4450,3556) 4457.98,3556 4457.98,3830 ccw(c4448,3830) 4448,3839.98 4220,3839.98 cw(c4220,3844) 4215.98,3844 4215.98,3860 cw(c4222,3860) 4222,3866.02 4448,3866.02 ccw(c4448,3876) 4457.98,3876 4457.98,4148 ccw(c4450,4148) 4450,4155.98 4392,4155.98 cw(c4392,4192) 4355.98,4192 4355.98,4728 ccw(c4304,4728) 4304,4779.98 2636,4779.98 ccw(c2636,4728) 2584.02,4728 2584.02,1618 ccw(c2632,1618) 2632,1570.02 2871.55,1570.02 cw(c2871.55,1517.55) 2924.02,1517.55
no net on Bottom Layer "Bottom Layer-No Net" (solid, pour order 124): 4130,4358
no net on Bottom Layer "Bottom Layer-No Net 1" (solid, pour order 122): 4134,4376
no net on Bottom Layer "Bottom Layer-No Net 2" (solid, pour order 120): 4124,4352
no net on Bottom Layer "Bottom Layer-No Net 3" (solid, pour order 116): 4124,4352
NetC59_2 on Bottom Layer "Bottom Layer-NetC59_2" (solid, pour order 108): 4036,4188.05 4140,4188.05 4140,4242 4036,4242
VCC3V3 on Bottom Layer "Bottom Layer-VCC3V3" (solid, pour order 100): 3878,4442 3936,4442 3936,4342 3878,4342
NetC49_2 on Bottom Layer "Bottom Layer-NetC49_2" (solid, pour order 98): 4036,4484.05 4146,4484.05 4146,4538 4036,4538
VCC5V on Bottom Layer "Bottom Layer-VCC5V" (solid, pour order 86): 3878,4734 3936,4734 3936,4634 3878,4634
VSA on Bottom Layer "Bottom Layer-VSA" (solid, pour order 76): 3642,1986 3642,1935.46 3636.54,1930 3608.54,1930 3608.54,1814 4044,1814 4044,1986 3886,1986 3886,1938 3878,1930 3837.51,1930 3828,1939.51 3828,1986
VSB on Bottom Layer "Bottom Layer-VSB" (solid, pour order 74): 3164,1986 3164,1934 3160,1930 3132,1930 3132,1814 3542,1814 3542,1986 3408,1986 3408,1938 3400,1930 3359.51,1930 3350,1939.51 3350,1986
VSC on Bottom Layer "Bottom Layer-VSC" (solid, pour order 72): 2684,1984 2684,1936 2676,1928 2626,1928 2626,1812 3062,1812 3062,1984 2928,1984 2928,1936 2920,1928 2879.51,1928 2870,1937.51 2870,1984
ISUM on Bottom Layer "Bottom Layer-SUM" (solid, pour order 68): 2700,2500 2700,2298 3810,2298 3810,2500
GND on Bottom Layer "Bottom Layer-GND" (solid, pour order 66): 4200,3874 4148,3822 4148,2332 4114,2298 3824,2298 3824,2500 3920.47,2500 3958.47,2538 3958.47,3228 3958.47,3974.47 4134,4150 4306,4150 4306,3874
VCC12V on Bottom Layer "Bottom Layer-VCC12V" (solid, pour order 36): 4212.01,3831.99 4162,3781.98 4162,2270 4116,2224 2624,2224 2624,2020 4296,2020 4352,2076 4352,3530.31 4400.85,3579.15
GND on Bottom Layer "Bottom Layer-GND 1" (solid, pour order 16): 4212,4150 4450,4150 4450,3874 4212,3874
VCC12V on Bottom Layer "Bottom Layer-VCC12V 1" (solid, pour order 14): 4212,3832 4450,3832 4450,3556 4212,3556
GND on Bottom Solder "Top Layer-No Net5" (solid, remove dead copper, pour order 157): 2924.02,1436 ccw(c2932,1436) 2932,1428.02 3170,1428.02 ccw(c3170,1436) 3177.98,1436 3177.98,1696 cw(c3188,1696) 3188,1706.02 3200,1706.02 cw(c3200,1698) 3208.02,1698 3208.02,1436 ccw(c3216,1436) 3216,1428.02 3458,1428.02 ccw(c3458,1434) 3463.98,1434 3463.98,1696 cw(c3474,1696) 3474,1706.02 3482,1706.02 cw(c3482,1698) 3490.02,1698 3490.02,1438 ccw(c3500,1438) 3500,1428.02 3738,1428.02 ccw(c3738,1436) 3745.98,1436 3745.98,1522 cw(c3794,1522) 3794,1570.02 4304,1570.02 ccw(c4304,1622) 4355.98,1622 4355.98,3500 cw(c4404,3500) 4404,3548.02 4450,3548.02 ccw(c4450,3556) 4457.98,3556 4457.98,3830 ccw(c4448,3830) 4448,3839.98 4220,3839.98 cw(c4220,3844) 4215.98,3844 4215.98,3860 cw(c4222,3860) 4222,3866.02 4448,3866.02 ccw(c4448,3876) 4457.98,3876 4457.98,4148 ccw(c4450,4148) 4450,4155.98 4392,4155.98 cw(c4392,4192) 4355.98,4192 4355.98,4728 ccw(c4304,4728) 4304,4779.98 2636,4779.98 ccw(c2636,4728) 2584.02,4728 2584.02,1618 ccw(c2632,1618) 2632,1570.02 2871.55,1570.02 cw(c2871.55,1517.55) 2924.02,1517.55
GND on Bottom Solder (solid): 4212,4150 4212,3874 4450,3874 4450,4150
VCC12V on Bottom Solder (solid): 4212,3832 4212,3556 4450,3556 4450,3832
VSA on Bottom Solder (solid): 3500,1710 3500,1434 3738,1434 3738,1710
VSB on Bottom Solder (solid): 3216,1710 3216,1434 3454,1434 3454,1710
VSC on Bottom Solder (solid): 2930,1712 2930,1436 3168,1436 3168,1712
no net on Top Overlay (solid): 2767.5,4522 2769.5,4524 2879.5,4524 2879.5,4483 2876.5,4480 2763.5,4480 2763.5,4522
no net on Top Overlay (solid): 2880,4525 2880,4503 2794,4503 2794,4309 2767,4309 2764,4306 2764,4525
no net on Top Overlay (solid): 3598,1790 3500,1790 3500,1710 3738,1710 3738,1727.15 3734,1731.15 3598,1731.15
no net on Top Overlay (solid): 3314,1790 3216,1790 3216,1710 3454,1710 3454,1727.15 3450,1731.15 3314,1731.15
no net on Top Overlay (solid): 3028,1788 2930,1788 2930,1712 3168,1712 3168,1729.15 3164,1733.15 3028,1733.15
no net on Top Overlay (solid): 4161.29,3822 4161.29,3598.06 4161.24,3598 4034.39,3598 4034.39,3554 4212.66,3554 4212.66,3828 4162,3828
no net on Top Overlay (solid): 4158,4148 4158,3920.76 4035.16,3920.76 4034.39,3920 4034.39,3874 4212.66,3874 4212.66,4148
no net on Top Overlay (solid): 4218.22,4150
GND on Signal Layer 1 "Top Layer-No Net3" (solid, remove dead copper, pour order 171): 2924.02,1436 ccw(c2932,1436) 2932,1428.02 3170,1428.02 ccw(c3170,1436) 3177.98,1436 3177.98,1696 cw(c3188,1696) 3188,1706.02 3200,1706.02 cw(c3200,1698) 3208.02,1698 3208.02,1436 ccw(c3216,1436) 3216,1428.02 3458,1428.02 ccw(c3458,1434) 3463.98,1434 3463.98,1696 cw(c3474,1696) 3474,1706.02 3482,1706.02 cw(c3482,1698) 3490.02,1698 3490.02,1438 ccw(c3500,1438) 3500,1428.02 3738,1428.02 ccw(c3738,1436) 3745.98,1436 3745.98,1522 cw(c3794,1522) 3794,1570.02 4304,1570.02 ccw(c4304,1622) 4355.98,1622 4355.98,3500 cw(c4404,3500) 4404,3548.02 4450,3548.02 ccw(c4450,3556) 4457.98,3556 4457.98,3830 ccw(c4448,3830) 4448,3839.98 4220,3839.98 cw(c4220,3844) 4215.98,3844 4215.98,3860 cw(c4222,3860) 4222,3866.02 4448,3866.02 ccw(c4448,3876) 4457.98,3876 4457.98,4148 ccw(c4450,4148) 4450,4155.98 4392,4155.98 cw(c4392,4192) 4355.98,4192 4355.98,4728 ccw(c4304,4728) 4304,4779.98 2636,4779.98 ccw(c2636,4728) 2584.02,4728 2584.02,1618 ccw(c2632,1618) 2632,1570.02 2871.55,1570.02 cw(c2871.55,1517.55) 2924.02,1517.55
VCC12V on Signal Layer 1 "Signal Layer 1-VCC12V 1" (solid, pour order 167): 4162,3596 4352,3596 4352,2076 4296,2020 4116,2020 4116,2224 4162,2270
GND on Signal Layer 1 "Signal Layer 1-GND" (solid, pour order 165): 4162,3596
GND on Signal Layer 1 "Signal Layer 1-GND 1" (solid, pour order 163): 3958,3596 4148,3596 4148,2332 4114,2298 4072,2298 3920,2450 3920,2500 3958,2538
VCC12V on Signal Layer 1 "Signal Layer 1-VCC12V" (solid, pour order 110): 4226,3756 4324,3756 4324,3634 4226,3634
VCC3V3 on Internal Plane 1 (split plane): 4020.9,4340 4020.9,3599.1 3918,3599.1 3916.05,3598.71 3914.4,3597.6 3913.29,3595.95 3912.9,3594 3912.9,3365.1 3821.1,3365.1 3821.1,3594 3820.71,3595.95 3819.6,3597.6 3817.95,3598.71 3816,3599.1 3490,3599.1 3488.05,3598.71 3486.4,3597.6 3485.29,3595.95 3484.9,3594 3484.9,3365.1 3371.1,3365.1 3371.1,3594 3370.71,3595.95 3369.6,3597.6 3367.95,3598.71 3366,3599.1 3268,3599.1 3266.05,3598.71 3264.4,3597.6 3263.29,3595.95 3262.9,3594 3262.9,3509.1 3183.1,3509.1 3183.1,3548 3183.1,3594 3182.71,3595.95 3181.6,3597.6 3179.95,3598.71 3178,3599.1 3050,3599.1 3048.05,3598.71 3046.4,3597.6 3045.29,3595.95 3044.9,3594 3044.9,3365.1 2933.1,3365.1 2933.1,3594 2932.71,3595.95 2931.6,3597.6 2929.95,3598.71 2928,3599.1 2715.63,3599.1 2715.63,3734.9 3872,3734.9 3873.95,3735.29 3875.6,3736.4 3876.71,3738.05 3877.1,3740 3877.1,3756 3877.1,4450.9 4020.9,4450.9
GNDCore on Internal Plane 1 (split plane): 3790.9,4726 3790.9,4698 3790.9,4623.1 3688,4623.1 3686.05,4622.71 3684.4,4621.6 3683.29,4619.95 3682.9,4618 3682.9,4354 3682.9,4306 3682.9,3965.1 2594.1,3965.1 2594.1,4680.9 2790,4680.9 2791.95,4681.29 2793.6,4682.4 2794.71,4684.05 2795.1,4686 2795.1,4769.9 3790.9,4769.9
VCC12V on Internal Plane 1 (split plane): 4246.9,2780 4246.9,2779.1 2881.1,2779.1 2881.1,2902.9 4246.9,2902.9
GNDCore on Internal Plane 1 (split plane): 2636,4769.9 2784.9,4769.9 2784.9,4691.1 2594.1,4691.1 2594.1,4728 2594.05,4728.39 2594.39,4733.48 2595.46,4738.86 2597.22,4744.06 2599.65,4748.99 2602.7,4753.55 2606.32,4757.68 2610.45,4761.3 2615.01,4764.35 2619.94,4766.78 2625.14,4768.54 2630.52,4769.61 2635.61,4769.95
GND on Internal Plane 1 (split plane): 203 vertices, not listed, extent 2594.06,1438.1 4447.9,4769.95

## Other copper
Top Layer:
  region: 4316,1708
Bottom Layer:
  text "尧山地头蛇" at 4328,1862 h50
  text "2023/3/3" at 4290,1806 h50
  text "曹延泽 权恒毅 匡观有" at 4270,1748 h50
  text "第十八届智能车竞赛" at 4220,1692 h50
  text "桂林电子科技大学" at 4170,1630 h50
Internal Plane 1 (plane layer: these items are gaps in the copper):
  lines w10: 2790,4779.98 2790,4686 2748,4686 2584.02,4686 2584.02,4620 2584.02,4308 2584.02,3961.98 2586,3960 2964,3960 ; 2841.98,4779.98 3796,4779.98 3796,4698 ; 2876,2864 2876,2774 ; 2956,3960 3688,3960 3688,4354 ; 3688,4306 3688,4618 3796,4618 3796,4726 ; 2876,2774 2876,2908 4252,2908 4252,2780 4252,2774 2876,2774 ; 2710.54,3594 2710.54,3740 3380,3740 3872,3740 3872,3756 3872,4456 4026,4456 4026,4340 4026,3594 3918,3594 3918,3360 3816,3360 3816,3594 3490,3594 3490,3360 3366,3360 3366,3594 3268,3594 3268,3504 3252,3504 3178,3504 3178,3548 3178,3594 3050,3594 3050,3360 2928,3360 2928,3594 2710.54,3594

## Silkscreen, mask and mechanical layers (free items; w line width, h text height)
Top Overlay:
  drawing of 9745 lines, arcs and shapes, not listed
  text "GND" at 3808,4748 h30
  text "5V" at 3829.56,4612 h30
  text "12VO" at 4336,4542 h30 r90
  text "RST" at 2794,4480 h80 r270
  text "GND" at 4158,3920.76 h100 r90
  text "VCC" at 4161.29,3598.06 h100 r90
  text "V1.2" at 4306,1856 h170 r90
  text "2023/3/3" at 4148,1854 h90 r90
  text "UINT8" at 4090,1780 h88
  text "C" at 3028,1733.15 h80
  text "B" at 3314,1731.15 h80
  text "A" at 3598,1731.15 h80
  text "FOC" at 4090,1684 h125
Bottom Overlay:
  text "GND" at 3850,4748 h30
  text "5V" at 2986,4672 h30
  text "SPDO" at 2958,4560 h30
  text "SPDI" at 2958,4500 h30
  text "VSS" at 2944,4442 h30
  text "GNDCORE" at 3248,4428.91 h30
  text "IO" at 2928,4384 h30
  text "DIRO" at 2960,4324 h30
  text "DIRI" at 2960,4266 h30
  text "3V3" at 3814,4246 h30
  text "3V3" at 3186,4238 h30
  text "1V3" at 3180,4080 h30
  text "5V" at 2932,3776 h30
  text "GND" at 3466,3705.57 h50
  text "3V3" at 3583.42,3704 h50
  text "1V3" at 3706,3704 h50
Bottom Solder:
  lines w30: 4262,3626 cw(c4290,3626) 4290,3654
  lines w100: 2746,2098 4192,2098 4242,2148 4262,2168 4262,2272 ; 2750,2396 3684,2396 cw(c3684,2392) 3688,2392 ; 3956,2390 4000,2390 ccw(c4000,2440) 4050,2440 4087.1,2477.1 4087.1,3945.1 4146,4004 4256,4004 ; 4262,2252 4262,3626
Mechanical 1:
  lines w3.94: 2586,1616 2586,4742 ; 2871.55,1572 cw(c2871.55,1517.55) 2926,1517.55 2926,1436 ccw(c2932,1436) 2932,1430 3170,1430 ccw(c3170,1436) 3176,1436 3176,1696 cw(c3188,1696) 3188,1708 3200,1708 cw(c3200,1698) 3210,1698 3210,1436 ccw(c3216,1436) 3216,1430 3458,1430 ccw(c3458,1434) 3462,1434 3462,1696 cw(c3474,1696) 3474,1708 3482,1708 cw(c3482,1698) 3492,1698 3492,1438 ccw(c3500,1438) 3500,1430 3738,1430 ccw(c3738,1436) 3744,1436 3744,1522 cw(c3794,1522) 3794,1572 ; 4156,1572 ccw(c4260,1570) 4354.21,1614.1 ; 4157.06,4778.02 cw(c4260,4780) 4354,4738 4354,4192 ccw(c4392,4192) 4392,4154 4450,4154 cw(c4450,4148) 4456,4148 4456,3876 cw(c4448,3876) 4448,3868 4222,3868 ccw(c4222,3860) 4214,3860 4214,3844 ccw(c4220,3844) 4220,3838 4448,3838 cw(c4448,3830) 4456,3830 4456,3556 cw(c4450,3556) 4450,3550 4404,3550 ccw(c4404,3500) 4354,3500 4354,2176 4354,1952
  lines w4: 2586,1616 2586,1570 ; 2585.98,4780 cw(c2686,4780) 2781.69,4809.12 ; 2686,1570 2586,1570 ; 2785.98,1571.97 cw(c2686,1570) 2586,1570 ; 2787.6,1571.97 2871.55,1571.97 ; 2788,4780 4156,4780 ; 3794,1572 4156,1572 ; 4354,1952 4354,1614.31 ccw(c4354.21,1614.31) 4354.21,1614.1